# KiCad board LizardBot1_ControlBoard_v1.kicad_pcb
title: LizardBot 1 Control Board: PCB Layout; date: 2024-07-15; rev: v1.0.0; company: Lizard Electronics; note: Designed by: Manuel Lagarto
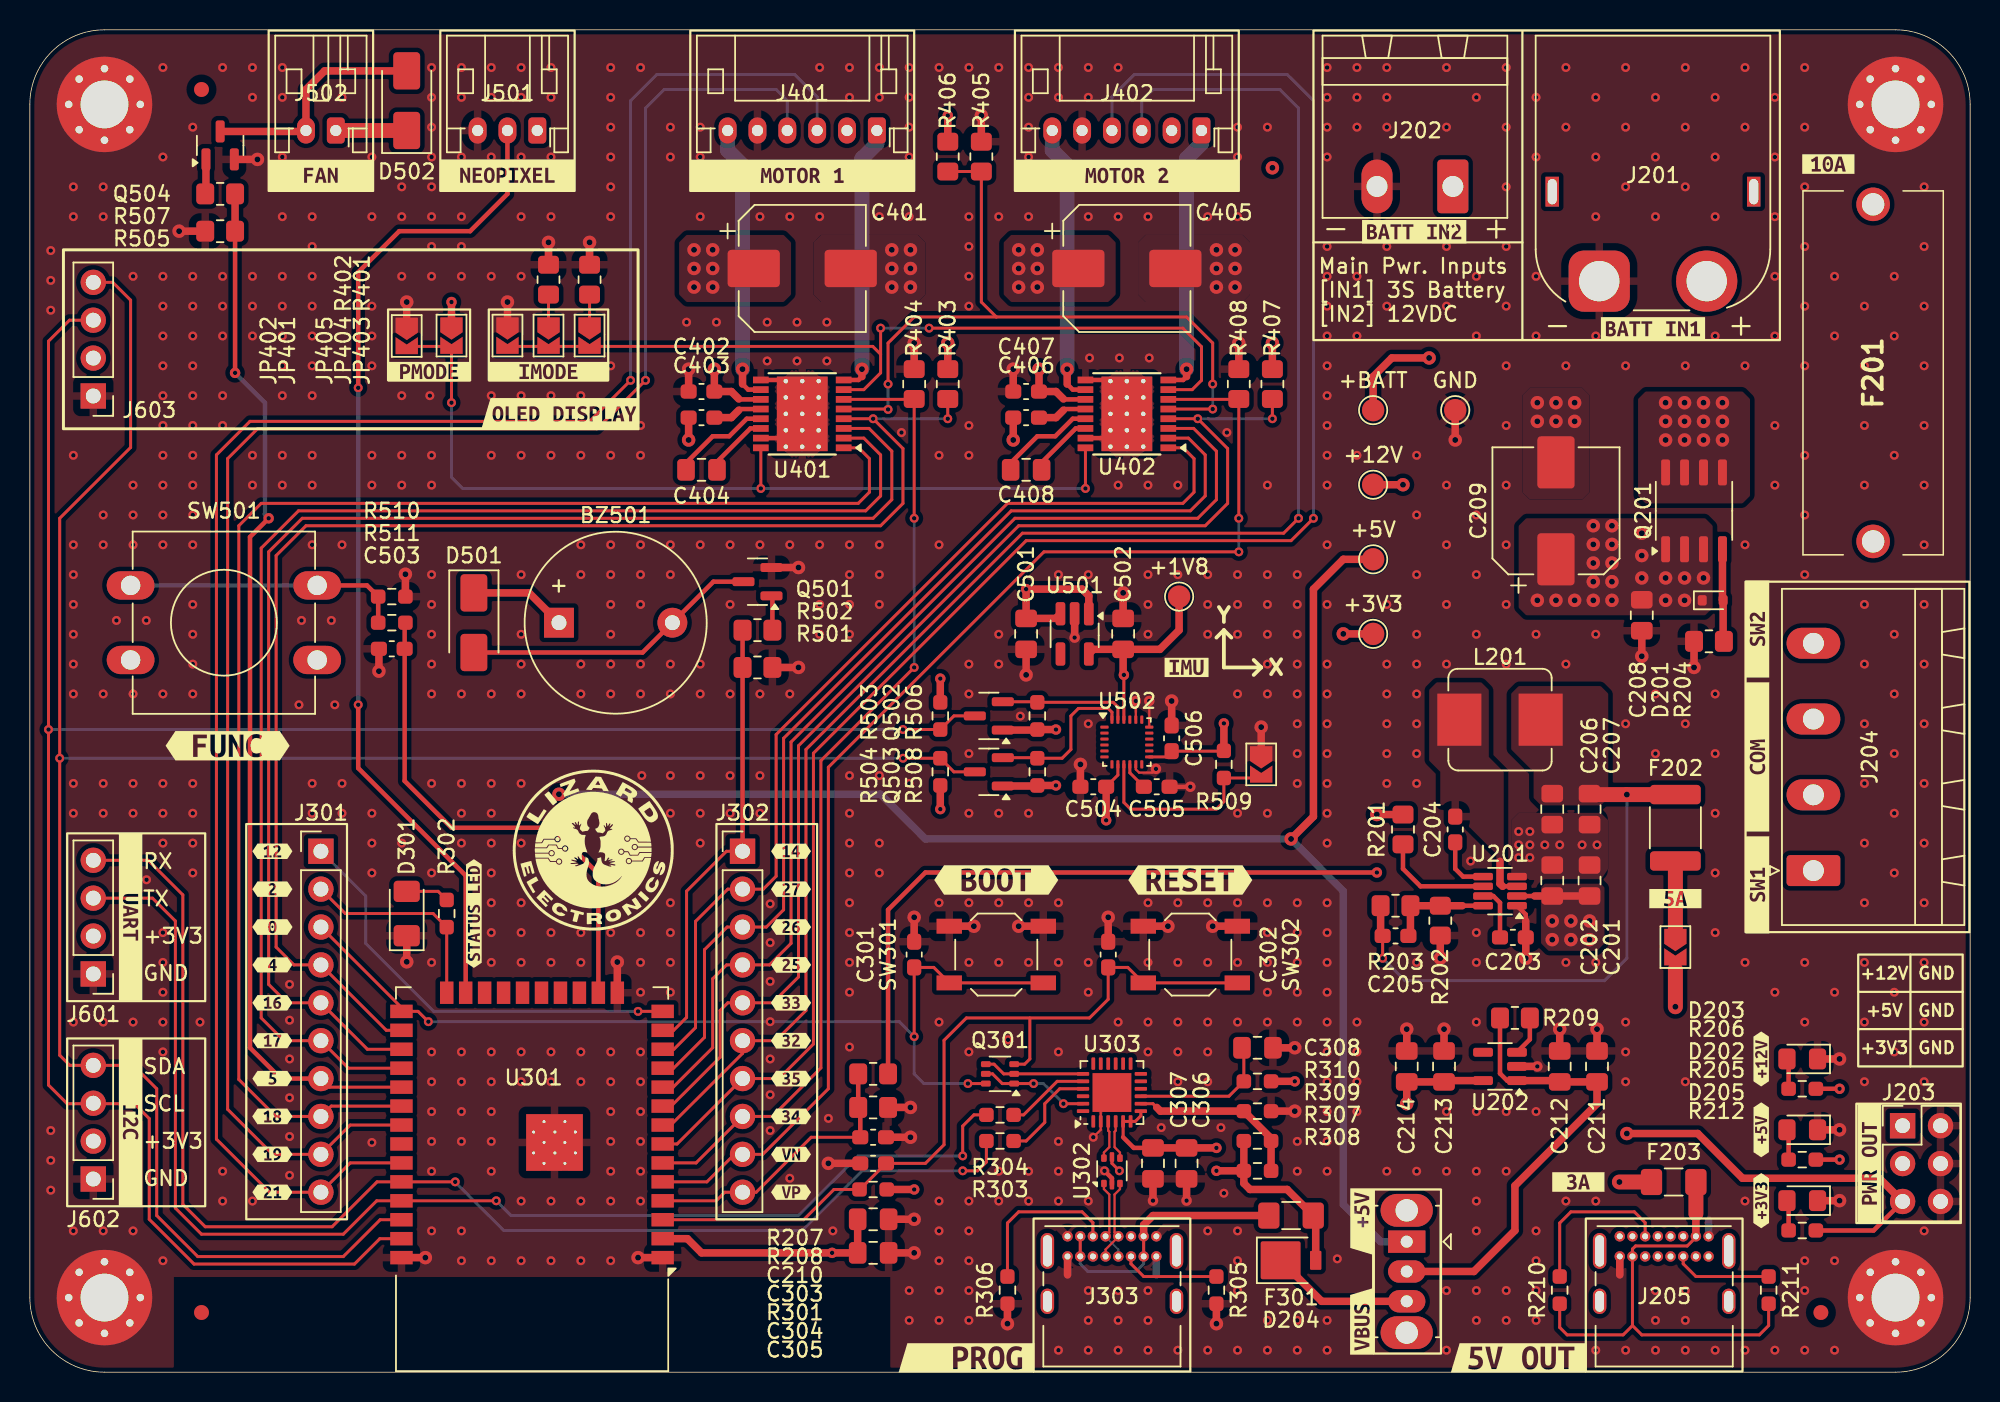
[diagram p0: board, top side]
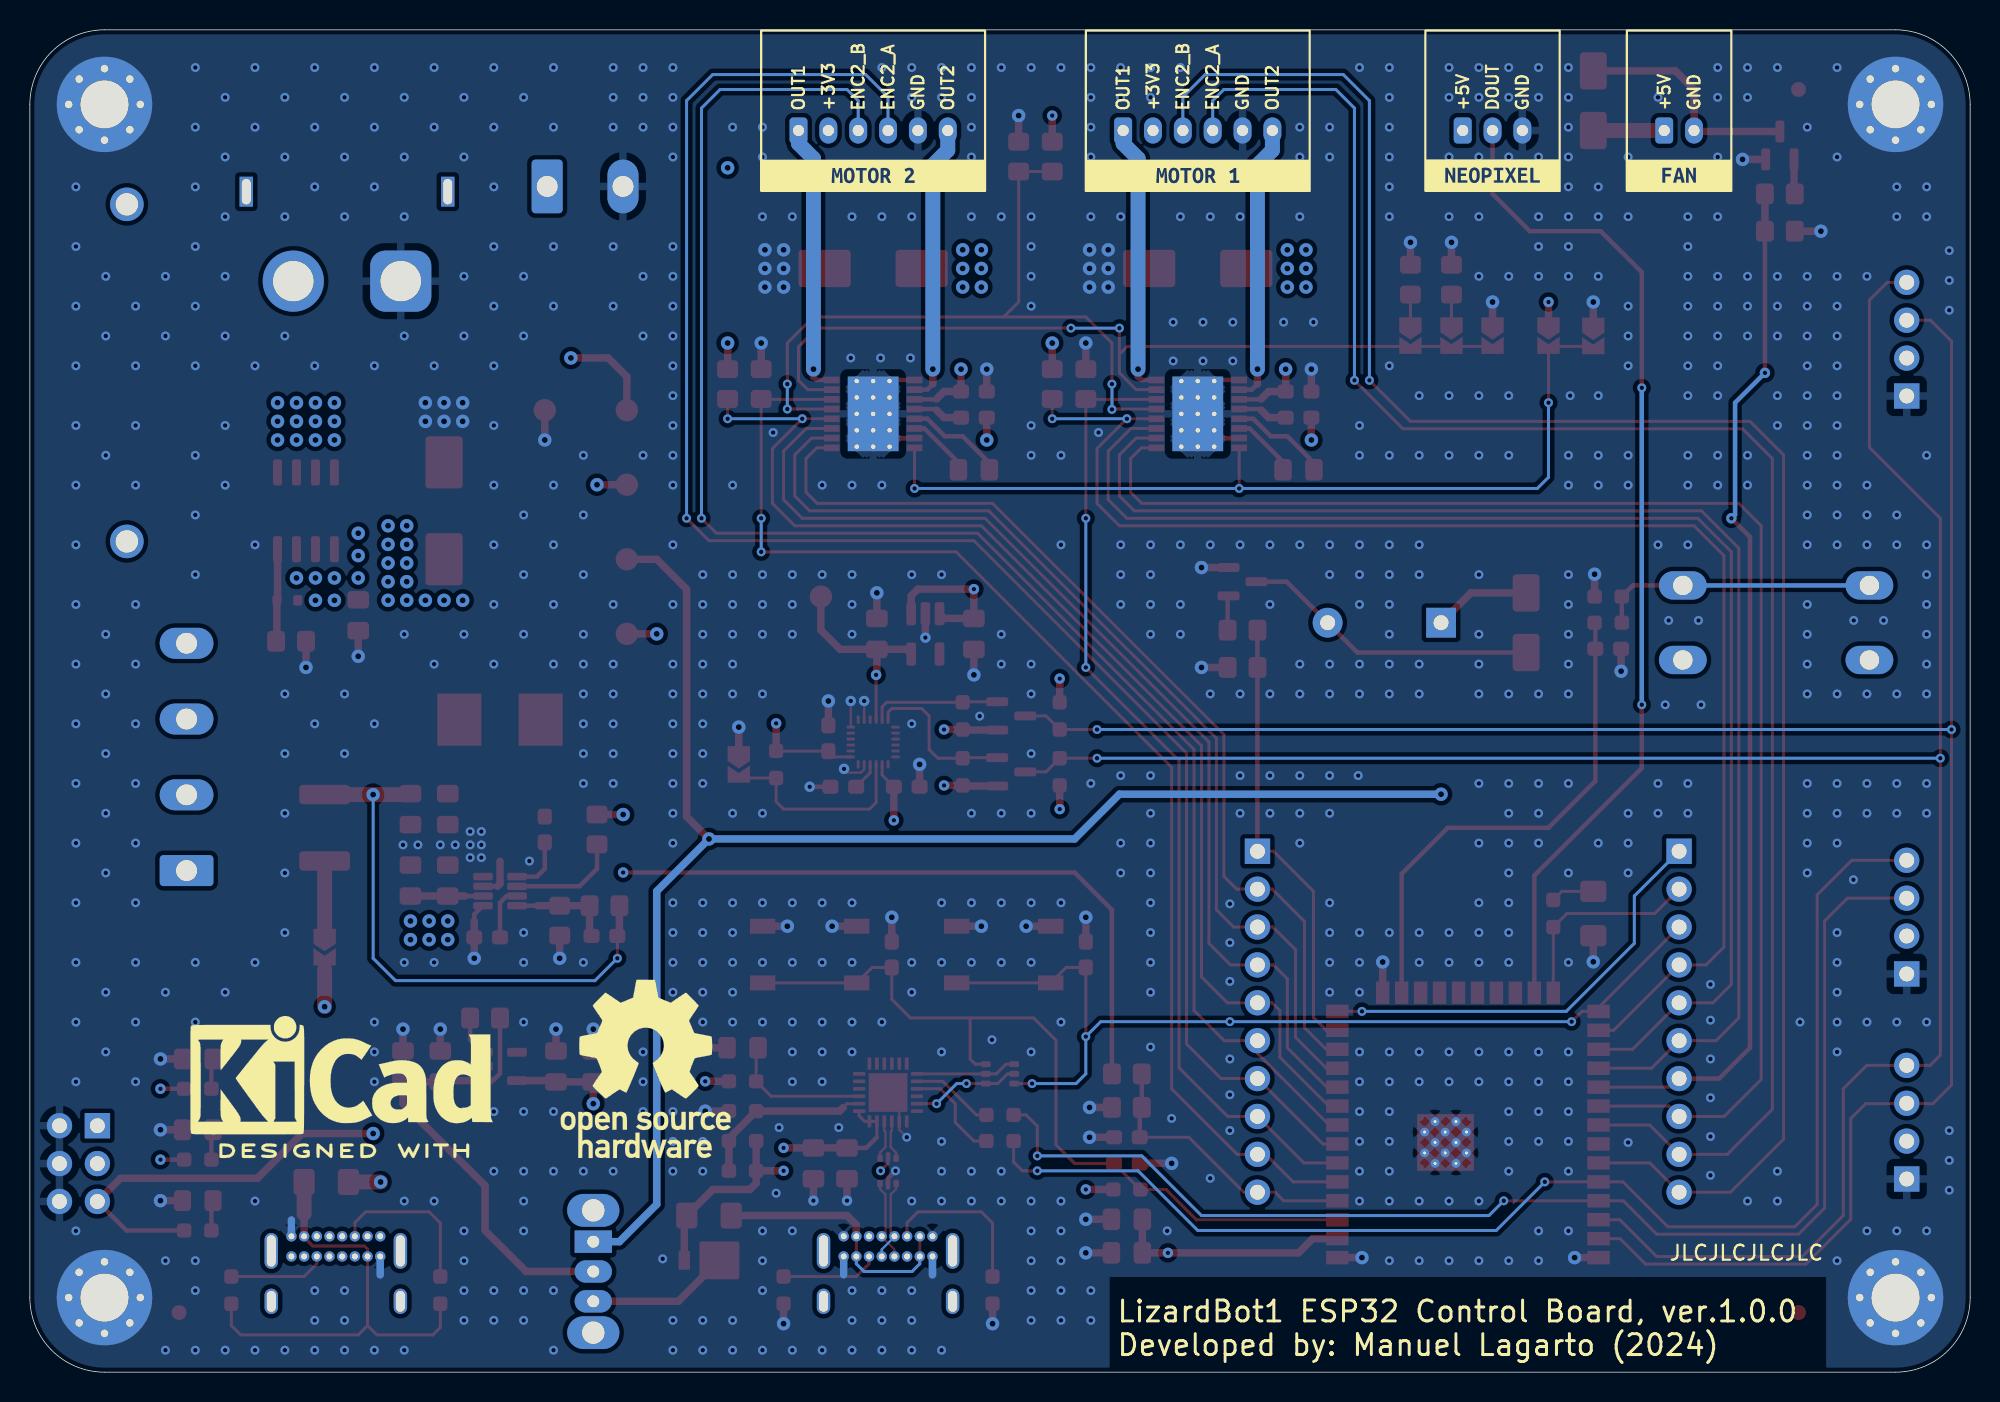
[diagram p1: board, bottom side, seen from below]

Outline 130 x 90 mm; copper layers: Top, In1.Cu (plane), In2.Cu (plane), Bottom. Coordinates in mm from the lower left corner of the outline.
Outline path: 0,85 0,5 arc(1.46,1.46) 5,0 125,0 arc(128.54,1.46) 130,5 130,85 arc(128.54,88.54) 125,90 5,90 arc(1.46,88.54) 0,85
Stack: Top 0.035mm / dielectric 0.1mm FR4 er 4.5 / In1.Cu 0.035mm / dielectric 1.24mm FR4 er 4.5 / In2.Cu 0.035mm / dielectric 0.1mm FR4 er 4.5 / Bottom 0.035mm

## Placement (name value [footprint] x y rotation side)
BZ501  Buzzer  [Buzzer_12x9.5RM7.6]  35.45 50.25 0 top
C201  22uF  [C_0805_2012Metric_Pad1.18x1.45mm_HandSolder]  104.5 32.96 90 top
C202  0.1uF  [C_0805_2012Metric_Pad1.18x1.45mm_HandSolder]  102 32.96 90 top
C203  0.1uF  [C_0603_1608Metric_Pad1.08x0.95mm_HandSolder]  99.36 29.15 0 top
C204  0.1uF  [C_0603_1608Metric_Pad1.08x0.95mm_HandSolder]  95.5 36.39 90 top
C205  33pF  [C_0603_1608Metric_Pad1.08x0.95mm_HandSolder]  91.5 29.25 180 top
C206  22uF  [C_0805_2012Metric_Pad1.18x1.45mm_HandSolder]  102 37.75 270 top
C207  22uF  [C_0805_2012Metric_Pad1.18x1.45mm_HandSolder]  104.5 37.75 270 top
C208  22uF  [C_0805_2012Metric_Pad1.18x1.45mm_HandSolder]  108 50.75 270 top
C209  470uF  [CP_Elec_8x10]  102.25 57.75 90 top
C210  0.1uF  [C_0603_1608Metric_Pad1.08x0.95mm_HandSolder]  56.5 15.75 0 top
C211  4.7uF  [C_0805_2012Metric_Pad1.18x1.45mm_HandSolder]  105 20.5 90 top
C212  0.1uF  [C_0805_2012Metric_Pad1.18x1.45mm_HandSolder]  102.5 20.5 90 top
C213  4.7uF  [C_0805_2012Metric_Pad1.18x1.45mm_HandSolder]  94.75 20.5 90 top
C214  4.7uF  [C_0805_2012Metric_Pad1.18x1.45mm_HandSolder]  92.25 20.5 90 top
C301  0.1uF  [C_0603_1608Metric_Pad1.08x0.95mm_HandSolder]  59.25 28 270 top
C302  0.1uF  [C_0603_1608Metric_Pad1.08x0.95mm_HandSolder]  72.25 28 270 top
C303  0.1uF  [C_0603_1608Metric_Pad1.08x0.95mm_HandSolder]  56.5 14 0 top
C304  22uF  [C_0805_2012Metric_Pad1.18x1.45mm_HandSolder]  56.5 10.25 0 top
C305  0.1uF  [C_0805_2012Metric_Pad1.18x1.45mm_HandSolder]  56.5 8 0 top
C306  4.7uF  [C_0805_2012Metric_Pad1.18x1.45mm_HandSolder]  77.5 14 270 top
C307  0.1uF  [C_0805_2012Metric_Pad1.18x1.45mm_HandSolder]  75.25 14 270 top
C308  0.1uF  [C_0805_2012Metric_Pad1.18x1.45mm_HandSolder]  82.25 21.75 0 top
C401  220uF  [CP_Elec_8x10]  51.75 74 0 top
C402  0.1uF  [C_0603_1608Metric_Pad1.08x0.95mm_HandSolder]  45 65.75 180 top
C403  0.1uF  [C_0603_1608Metric_Pad1.08x0.95mm_HandSolder]  45 64 0 top
C404  22nF  [C_0805_2012Metric_Pad1.18x1.45mm_HandSolder]  45 60.5 180 top
C405  220uF  [CP_Elec_8x10]  73.5 74 0 top
C406  0.1uF  [C_0603_1608Metric_Pad1.08x0.95mm_HandSolder]  66.75 65.75 180 top
C407  0.1uF  [C_0603_1608Metric_Pad1.08x0.95mm_HandSolder]  66.75 64 0 top
C408  22nF  [C_0805_2012Metric_Pad1.18x1.45mm_HandSolder]  66.75 60.5 180 top
C501  4.7uF  [C_0805_2012Metric_Pad1.18x1.45mm_HandSolder]  66.75 49.5 270 top
C502  4.7uF  [C_0805_2012Metric_Pad1.18x1.45mm_HandSolder]  73.25 49.5 90 top
C503  0.1uF  [C_0603_1608Metric_Pad1.08x0.95mm_HandSolder]  24.25 48.5 180 top
C504  0.1uF  [C_0603_1608Metric_Pad1.08x0.95mm_HandSolder]  71.25 39.25 180 top
C505  0.1uF  [C_0603_1608Metric_Pad1.08x0.95mm_HandSolder]  75.5 39.25 0 top
C506  0.1uF  [C_0603_1608Metric_Pad1.08x0.95mm_HandSolder]  76.5 42.5 90 top
D201  BZT52C12T  [D_SOD-523]  112.75 51.75 0 top
D202  Green  [LED_0805_2012Metric_Pad1.15x1.40mm_HandSolder]  118.75 16.25 180 top
D203  Green  [LED_0805_2012Metric_Pad1.15x1.40mm_HandSolder]  118.75 21 180 top
D204  SS1P3L  [D_SMP_DO-220AA]  84.5 7.5 0 top
D205  Green  [LED_0805_2012Metric_Pad1.15x1.40mm_HandSolder]  118.75 11.5 180 top
D301  Red  [LED_1206_3216Metric_Pad1.42x1.75mm_HandSolder]  25.25 30.75 90 top
D501  SS14  [D_SMA]  29.75 50.25 270 top
D502  SS14  [D_SMA]  25.25 85.25 90 top
F201  10A  [Fuseholder_LittelFuse_5x20mm_0PTF0078P]  123.5 67 270 top
F202  5A  [Fuse_1812_4532Metric_Pad1.30x3.40mm_HandSolder]  110.25 36.5 270 top
F203  3A  [Fuse_1206_3216Metric_Pad1.42x1.75mm_HandSolder]  110.14 12.75 180 top
F301  500mA  [Fuse_1206_3216Metric_Pad1.42x1.75mm_HandSolder]  84.5 10.5 0 top
FID101  Fiducial  [Fiducial_1mm_Mask2mm]  11.5 86 0 top
FID102  Fiducial  [Fiducial_1mm_Mask2mm]  11.5 4 0 top
FID103  Fiducial  [Fiducial_1mm_Mask2mm]  120 4 0 top
G***  LOGO  [lizard_electronics_footprint]  37.75 35 0 top
H101  MountingHole_Pad  [MountingHole_3.2mm_M3_Pad_Via]  5 85 0 top
H102  MountingHole_Pad  [MountingHole_3.2mm_M3_Pad_Via]  5 5 0 top
H103  MountingHole_Pad  [MountingHole_3.2mm_M3_Pad_Via]  125 85 0 top
H104  MountingHole_Pad  [MountingHole_3.2mm_M3_Pad_Via]  125 5 0 top
J201  XT60-M  [AMASS_XT60PW-M_1x02_P7.20mm_Horizontal]  105.15 73.15 0 top
J202  Receptable-P5.08-2P  [PhoenixContact_MSTBA_2,5_2-G-5,08_1x02_P5.08mm_Horizontal]  95.34 79.5 180 top
J203  Conn_02x03_Odd_Even  [PinHeader_2x03_P2.54mm_Vertical]  125.47 16.53 0 top
J204  Receptable-P5.08-4P  [PhoenixContact_MSTBA_2,5_4-G-5,08_1x04_P5.08mm_Horizontal]  119.5 33.63 90 top
J205  USB_C_Receptacle_PowerOnly_6P  [USB_C_Receptacle_GCT_USB4085]  106.53 9.11 0 top
J301  2.54mm (F)  [PinHeader_1x10_P2.54mm_Vertical]  19.5 34.92 0 top
J302  2.54mm (F)  [PinHeader_1x10_P2.54mm_Vertical]  47.75 34.92 0 top
J303  USB_C_Receptacle_USB2.0_16P  [USB_C_Receptacle_GCT_USB4085]  69.53 9.11 0 top
J401  JST-PH-6-Male  [JST_PH_S6B-PH-K_1x06_P2.00mm_Horizontal]  56.75 83.25 180 top
J402  JST-PH-6-Male  [JST_PH_S6B-PH-K_1x06_P2.00mm_Horizontal]  78.5 83.25 180 top
J501  JST-PH-3-Male  [JST_PH_S3B-PH-K_1x03_P2.00mm_Horizontal]  34 83.25 180 top
J502  JST-PH-2-Male  [JST_PH_S2B-PH-K_1x02_P2.00mm_Horizontal]  20.5 83.25 180 top
J601  2.54mm (F)  [PinHeader_1x04_P2.54mm_Vertical]  4.25 26.7 180 top
J602  2.54mm (F)  [PinHeader_1x04_P2.54mm_Vertical]  4.25 12.95 180 top
J603  2.54mm (F)  [PinHeader_1x04_P2.54mm_Vertical]  4.25 65.45 180 top
JP201  Jumper_2_Small_Open  [SolderJumper-2_P1.3mm_Open_TrianglePad1.0x1.5mm]  110.25 28.5 270 top
JP401  PMODE as PWM  [SolderJumper-2_P1.3mm_Open_TrianglePad1.0x1.5mm]  28.25 69.5 270 top
JP402  PMODE as PH/EN  [SolderJumper-2_P1.3mm_Open_TrianglePad1.0x1.5mm]  25.25 69.47 270 top
JP403  IMODE as Level 3  [SolderJumper-2_P1.3mm_Open_TrianglePad1.0x1.5mm]  37.5 69.5 270 top
JP404  IMODE as Level 2  [SolderJumper-2_P1.3mm_Open_TrianglePad1.0x1.5mm]  34.75 69.5 270 top
JP405  IMODE as Level 1  [SolderJumper-2_P1.3mm_Open_TrianglePad1.0x1.5mm]  32 69.5 270 top
JP501  IMU I2C Slave Address  [SolderJumper-2_P1.3mm_Open_TrianglePad1.0x1.5mm]  82.5 40.75 270 top
kibuzzard-66AD00BD  G***  [kibuzzard-66AD00BD]  77.5 47.25 0 top
kibuzzard-66AE53BD  G***  [kibuzzard-66AE53BD]  32 80.25 0 top
kibuzzard-66AE53BD#2  G***  [kibuzzard-66AE53BD]  32 80.25 180 bottom
kibuzzard-66AE536E  G***  [kibuzzard-66AE536E]  51.75 80.24 0 top
kibuzzard-66AE536E#2  G***  [kibuzzard-66AE536E]  51.75 80.24 180 bottom
kibuzzard-66AE598B  G***  [kibuzzard-66AE598B]  116 11.5 90 top
kibuzzard-66AE5247  G***  [kibuzzard-66AE5247]  92.75 76.46 0 top
kibuzzard-66AE5260  G***  [kibuzzard-66AE5260]  108.75 69.96 0 top
kibuzzard-66AE5349  G***  [kibuzzard-66AE5349]  73.5 80.24 0 top
kibuzzard-66AE5349#2  G***  [kibuzzard-66AE5349]  73.5 80.24 180 bottom
kibuzzard-66AE5413  G***  [kibuzzard-66AE5413]  19.5 80.25 0 top
kibuzzard-66AE5413#2  G***  [kibuzzard-66AE5413]  19.5 80.25 180 bottom
kibuzzard-66AE5490  G***  [kibuzzard-66AE5490]  35.5 64.25 0 top
kibuzzard-66AE5977  G***  [kibuzzard-66AE5977]  116 21 90 top
kibuzzard-66AE5980  G***  [kibuzzard-66AE5980]  116 16.25 90 top
kibuzzard-66AFADB2  G***  [kibuzzard-66AFADB2]  77.75 33 0 top
kibuzzard-66AFADBC  G***  [kibuzzard-66AFADBC]  64.75 33 0 top
kibuzzard-66AFB5F9  G***  [kibuzzard-66AFB5F9]  6.75 30.5 270 top
kibuzzard-66AFB6D0  G***  [kibuzzard-66AFB6D0]  6.75 16.75 270 top
kibuzzard-66AFB6F2  G***  [kibuzzard-66AFB6F2]  29.75 30.75 90 top
kibuzzard-66AFB7D7  G***  [kibuzzard-66AFB7D7]  51 34.92 0 top
kibuzzard-66AFB7DB  G***  [kibuzzard-66AFB7DB]  51 32.39 0 top
kibuzzard-66AFB7DF  G***  [kibuzzard-66AFB7DF]  51 29.84 0 top
kibuzzard-66AFB7E3  G***  [kibuzzard-66AFB7E3]  51 27.31 0 top
kibuzzard-66AFB7E7  G***  [kibuzzard-66AFB7E7]  51 24.77 0 top
kibuzzard-66AFB7EC  G***  [kibuzzard-66AFB7EC]  51 22.22 0 top
kibuzzard-66AFB7F0  G***  [kibuzzard-66AFB7F0]  51 19.69 0 top
kibuzzard-66AFB7F4  G***  [kibuzzard-66AFB7F4]  51 17.15 0 top
kibuzzard-66AFB7F8  G***  [kibuzzard-66AFB7F8]  51 14.6 0 top
kibuzzard-66AFB7FC  G***  [kibuzzard-66AFB7FC]  51 12.06 0 top
kibuzzard-66AFB39E  G***  [kibuzzard-66AFB39E]  115.75 49.83 90 top
kibuzzard-66AFB48F  G***  [kibuzzard-66AFB48F]  89.25 10.09 90 top
kibuzzard-66AFB92F  G***  [kibuzzard-66AFB92F]  16.25 14.6 0 top
kibuzzard-66AFB93E  G***  [kibuzzard-66AFB93E]  16.25 17.15 0 top
kibuzzard-66AFB94F  G***  [kibuzzard-66AFB94F]  16.25 19.69 0 top
kibuzzard-66AFB95D  G***  [kibuzzard-66AFB95D]  16.25 22.22 0 top
kibuzzard-66AFB97A  G***  [kibuzzard-66AFB97A]  16.25 29.84 0 top
kibuzzard-66AFB99E  G***  [kibuzzard-66AFB99E]  16.25 34.92 0 top
kibuzzard-66AFB135  G***  [kibuzzard-66AFB135]  26.75 67.08 0 top
kibuzzard-66AFB168  G***  [kibuzzard-66AFB168]  34.75 67.08 0 top
kibuzzard-66AFB328  G***  [kibuzzard-66AFB328]  115.75 41.25 90 top
kibuzzard-66AFB378  G***  [kibuzzard-66AFB378]  115.75 32.67 90 top
kibuzzard-66AFB483  G***  [kibuzzard-66AFB483]  89.25 3.41 90 top
kibuzzard-66AFB916  G***  [kibuzzard-66AFB916]  16.25 12.06 0 top
kibuzzard-66AFB966  G***  [kibuzzard-66AFB966]  16.25 24.77 0 top
kibuzzard-66AFB970  G***  [kibuzzard-66AFB970]  16.25 27.31 0 top
kibuzzard-66AFB985  G***  [kibuzzard-66AFB985]  16.25 32.39 0 top
kibuzzard-66AFBD2F  G***  [kibuzzard-66AFBD2F]  99.75 0.96 0 top
kibuzzard-66AFBDDF  G***  [kibuzzard-66AFBDDF]  62.75 0.96 0 top
kibuzzard-66AFBE4C  G***  [kibuzzard-66AFBE4C]  13.25 42 0 top
kibuzzard-66B2BB73  G***  [kibuzzard-66B2BB73]  123.25 14 90 top
kibuzzard-66B2BEBE  G***  [kibuzzard-66B2BEBE]  120.5 81 0 top
kibuzzard-66B2BEF8  G***  [kibuzzard-66B2BEF8]  103.75 12.75 0 top
kibuzzard-66B2BF15  G***  [kibuzzard-66B2BF15]  110.25 31.75 0 top
L201  4.7uH  [L_Bourns_SRP7028A_7.3x6.6mm]  98.5 43.75 0 top
Q201  SQ4425EY  [SO-8_3.9x4.9mm_P1.27mm]  111.5 57.75 90 top
Q301  UMH3N  [SOT-363_SC-70-6]  65 20 180 top
Q501  AO3400A  [SOT-23]  48.75 53 180 top
Q502  BSS138  [SOT-23]  64.25 44 180 top
Q503  BSS138  [SOT-23]  64.25 40.25 180 top
Q504  AO3400A  [SOT-23]  12.75 82.25 90 top
R201  100k  [R_0805_2012Metric_Pad1.20x1.40mm_HandSolder]  92 36.39 270 top
R202  5.49k  [R_0805_2012Metric_Pad1.20x1.40mm_HandSolder]  94.5 30.28 270 top
R203  40.2k  [R_0805_2012Metric_Pad1.20x1.40mm_HandSolder]  91.5 31.28 180 top
R204  10k  [R_0805_2012Metric_Pad1.20x1.40mm_HandSolder]  112.5 49 180 top
R205  1k  [R_0603_1608Metric_Pad0.98x0.95mm_HandSolder]  118.75 14.25 180 top
R206  1k  [R_0603_1608Metric_Pad0.98x0.95mm_HandSolder]  118.75 19 180 top
R207  10k  [R_0805_2012Metric_Pad1.20x1.40mm_HandSolder]  56.5 20 180 top
R208  3.3k  [R_0805_2012Metric_Pad1.20x1.40mm_HandSolder]  56.5 17.75 0 top
R209  100k  [R_0805_2012Metric_Pad1.20x1.40mm_HandSolder]  99.5 23.75 180 top
R210  10k  [R_0603_1608Metric_Pad0.98x0.95mm_HandSolder]  102.5 5.5 90 top
R211  10k  [R_0603_1608Metric_Pad0.98x0.95mm_HandSolder]  116.5 5.5 90 top
R212  470  [R_0603_1608Metric_Pad0.98x0.95mm_HandSolder]  118.75 9.5 180 top
R301  10k  [R_0603_1608Metric_Pad0.98x0.95mm_HandSolder]  56.5 12.25 180 top
R302  1k  [R_0603_1608Metric_Pad0.98x0.95mm_HandSolder]  27.93 30.75 90 top
R303  0  [R_0603_1608Metric_Pad0.98x0.95mm_HandSolder]  65 15.5 0 top
R304  0  [R_0603_1608Metric_Pad0.98x0.95mm_HandSolder]  65 17.25 0 top
R305  5k1  [R_0603_1608Metric_Pad0.98x0.95mm_HandSolder]  79.5 5.5 270 top
R306  5k1  [R_0603_1608Metric_Pad0.98x0.95mm_HandSolder]  65.5 5.5 270 top
R307  47k  [R_0603_1608Metric_Pad0.98x0.95mm_HandSolder]  82.25 15.5 0 top
R308  47k  [R_0603_1608Metric_Pad0.98x0.95mm_HandSolder]  82.25 13.5 0 top
R309  47k  [R_0603_1608Metric_Pad0.98x0.95mm_HandSolder]  82.25 17.5 0 top
R310  1k  [R_0603_1608Metric_Pad0.98x0.95mm_HandSolder]  82.25 19.5 180 top
R401  62k  [R_0805_2012Metric_Pad1.20x1.40mm_HandSolder]  37.5 73.25 90 top
R402  20k  [R_0805_2012Metric_Pad1.20x1.40mm_HandSolder]  34.75 73.25 90 top
R403  10k  [R_0805_2012Metric_Pad1.20x1.40mm_HandSolder]  61.5 66.25 270 top
R404  1.2k  [R_0805_2012Metric_Pad1.20x1.40mm_HandSolder]  59.25 66.25 90 top
R405  16k  [R_0805_2012Metric_Pad1.20x1.40mm_HandSolder]  61.5 81.5 270 top
R406  50k  [R_0805_2012Metric_Pad1.20x1.40mm_HandSolder]  63.75 81.5 90 top
R407  10k  [R_0805_2012Metric_Pad1.20x1.40mm_HandSolder]  83.25 66.25 270 top
R408  1.2k  [R_0805_2012Metric_Pad1.20x1.40mm_HandSolder]  81 66.25 90 top
R501  10k  [R_0805_2012Metric_Pad1.20x1.40mm_HandSolder]  48.75 47.25 0 top
R502  150  [R_0805_2012Metric_Pad1.20x1.40mm_HandSolder]  48.75 49.75 0 top
R503  10k  [R_0603_1608Metric_Pad0.98x0.95mm_HandSolder]  61 44 270 top
R504  10k  [R_0603_1608Metric_Pad0.98x0.95mm_HandSolder]  61 40.25 90 top
R505  10k  [R_0805_2012Metric_Pad1.20x1.40mm_HandSolder]  12.75 76.5 180 top
R506  10k  [R_0603_1608Metric_Pad0.98x0.95mm_HandSolder]  67.5 44 90 top
R507  150  [R_0805_2012Metric_Pad1.20x1.40mm_HandSolder]  12.75 79 180 top
R508  10k  [R_0603_1608Metric_Pad0.98x0.95mm_HandSolder]  67.5 40.25 90 top
R509  10k  [R_0603_1608Metric_Pad0.98x0.95mm_HandSolder]  80 40.75 270 top
R510  10k  [R_0603_1608Metric_Pad0.98x0.95mm_HandSolder]  24.25 52 0 top
R511  470  [R_0603_1608Metric_Pad0.98x0.95mm_HandSolder]  24.25 50.25 0 top
REF**  -  [KiCad-Logo2_8mm_SilkScreen]  109.12 19.94 180 bottom
REF**#2  -  [OSHW-Logo_11.4x12mm_SilkScreen]  88.75 20.34 180 bottom
SW201  SW_SPDT  [SW_Slide_SPDT_Straight_CK_OS102011MS2Q]  92.25 8.75 270 top
SW301  SW_Push  [SW_SPST_TL3342]  64.75 28 0 top
SW302  SW_Push  [SW_SPST_TL3342]  77.75 28 0 top
SW501  SW_Push  [SW_PUSH-12mm]  19.25 47.75 180 top
TP101  BATT_TP  [TestPoint_Pad_D1.5mm]  90 64.5 0 top
TP102  12V_TP  [TestPoint_Pad_D1.5mm]  90 59.5 0 top
TP103  5V_TP  [TestPoint_Pad_D1.5mm]  90 54.5 0 top
TP104  3V3_TP  [TestPoint_Pad_D1.5mm]  90 49.5 0 top
TP105  1V8_TP  [TestPoint_Pad_D1.5mm]  77 52 0 top
TP106  GND_TP  [TestPoint_Pad_D1.5mm]  95.5 64.5 0 top
U201  MP2225  [SOT-23-8]  98.5 32.25 180 top
U202  AP2112K-3.3  [SOT-23-5]  98.5 20.5 180 top
U301  ESP32-WROOM-32E  [ESP32-WROOM-32D]  33.65 15.93 180 top
U302  USBLC6-2P6  [SOT-666]  72.5 13.5 90 top
U303  CP2102N-Axx-xQFN24  [QFN-24-1EP_4x4mm_P0.5mm_EP2.6x2.6mm]  72.5 18.75 90 top
U401  DRV8874  [HTSSOP-16-1EP_4.4x5mm_P0.65mm_EP3.4x5mm_Mask3x3mm_ThermalVias]  51.75 64.25 180 top
U402  DRV8874  [HTSSOP-16-1EP_4.4x5mm_P0.65mm_EP3.4x5mm_Mask3x3mm_ThermalVias]  73.5 64.25 180 top
U501  MIC5225  [SOT-23-5_HandSoldering]  70 49.5 270 top
U502  ICM-20948  [InvenSense_QFN-24_3x3mm_P0.4mm]  73.5 42.25 0 top

## Library data of the parts
BZ501 = -: Description: Buzzer, polarized; ki_fp_filters: *Buzzer*
C201-C208 C210-C214 C301-C308 C402-C404 C406-C408 C501-C506 = -: Description: Unpolarized capacitor, small symbol; ki_fp_filters: C_*
C209 C401 C405 = -: Description: Polarized capacitor, small US symbol; ki_fp_filters: CP_*
D201 = -: Datasheet: https://pt.mouser.com/datasheet/2/115/DIOD_S_A0004048695_1-2542541.pdf; Description: Zener diode; ki_fp_filters: TO-???* *_Diode_* *SingleDiode* D_*
D202 D203 D205 D301 = -: Description: Light emitting diode, small symbol, filled shape; ki_fp_filters: LED* LED_SMD:* LED_THT:*
D204 = -: Datasheet: https://www.vishay.com/docs/88915/ss1p3l.pdf; Description: Schottky diode, small symbol, filled shape; ki_fp_filters: TO-???* *_Diode_* *SingleDiode* D_*
D501 D502 = -: Datasheet: https://www.vishay.com/docs/88746/ss12.pdf; Description: 40V 1A Schottky Diode, SMA; ki_fp_filters: D*SMA*
F201 = -: Datasheet: https://pt.mouser.com/datasheet/2/240/media-3322743.pdf; Description: Fuse; ki_fp_filters: *Fuse*
F202 = -: Datasheet: https://pt.mouser.com/datasheet/2/240/media-3323076.pdf; Description: Resettable fuse, polymeric positive temperature coefficient, small symbol; ki_fp_filters: *polyfuse* *PTC*
F203 = -: Datasheet: https://pt.mouser.com/datasheet/2/240/media-3319932.pdf; Description: Resettable fuse, polymeric positive temperature coefficient, small symbol; ki_fp_filters: *polyfuse* *PTC*
F301 = -: Description: Resettable fuse, polymeric positive temperature coefficient, small symbol; ki_fp_filters: *polyfuse* *PTC*
FID101-FID103 = -: Description: Fiducial Marker; ki_fp_filters: Fiducial*
H101-H104 = -: Description: Mounting Hole with connection; ki_fp_filters: MountingHole*Pad*
J201 = -: Datasheet: https://www.lcsc.com/datasheet/lcsc_datasheet_1810251322_Changzhou-Amass-Elec-XT60_C98733.pdf; Description: Generic connector, single row, 01x02, script generated (kicad-library-utils/schlib/autogen/connector/); ki_fp_filters: Connector*:*_1x??_*
J202 = -: Datasheet: https://www.lcsc.com/datasheet/lcsc_datasheet_1912251632_Ningbo-Kangnex-Elec-WJ2EDGR-5-08-2P_C8383.pdf; Description: Generic screw terminal, single row, 01x02, script generated (kicad-library-utils/schlib/autogen/connector/); ki_fp_filters: TerminalBlock*:*
J203 = -: Description: Generic connector, double row, 02x03, odd/even pin numbering scheme (row 1 odd numbers, row 2 even numbers), script generated (kicad-library-utils/schlib/autogen/connector/); ki_fp_filters: Connector*:*_2x??_*
J204 = -: Datasheet: https://www.lcsc.com/datasheet/lcsc_datasheet_2304140030_Ningbo-Kangnex-Elec-WJ2EDGR-5-08-4P_C8443.pdf; Description: Generic screw terminal, single row, 01x04, script generated (kicad-library-utils/schlib/autogen/connector/); ki_fp_filters: TerminalBlock*:*
J205 = -: Datasheet: https://www.usb.org/sites/default/files/documents/usb_type-c.zip; Description: USB Power-Only 6P Type-C Receptacle connector; ki_fp_filters: USB*C*Receptacle*
J301 J302 = -: Description: Generic connector, single row, 01x10, script generated (kicad-library-utils/schlib/autogen/connector/); ki_fp_filters: Connector*:*_1x??_*
J303 = -: Datasheet: https://www.usb.org/sites/default/files/documents/usb_type-c.zip; Description: USB 2.0-only 16P Type-C Receptacle connector; ki_fp_filters: USB*C*Receptacle*
J401 J402 = -: Description: Generic connector, single row, 01x06, script generated (kicad-library-utils/schlib/autogen/connector/); ki_fp_filters: Connector*:*_1x??_*
J501 = -: Description: Generic connector, single row, 01x03, script generated (kicad-library-utils/schlib/autogen/connector/); ki_fp_filters: Connector*:*_1x??_*
J502 = -: Description: Generic connector, single row, 01x02, script generated (kicad-library-utils/schlib/autogen/connector/); ki_fp_filters: Connector*:*_1x??_*
J601-J603 = -: Description: Generic connector, single row, 01x04, script generated (kicad-library-utils/schlib/autogen/connector/); ki_fp_filters: Connector*:*_1x??_*
JP201 JP501 = -: Description: Jumper, 2-pole, small symbol, open; ki_fp_filters: Jumper* TestPoint*2Pads* TestPoint*Bridge*
JP401-JP405 = -: Description: Jumper, 2-pole, open; ki_fp_filters: Jumper* TestPoint*2Pads* TestPoint*Bridge*
L201 = -: Datasheet: https://pt.mouser.com/datasheet/2/54/BOURNS_SRP7028AA-2064300.pdf; Description: Inductor; ki_fp_filters: Choke_* *Coil* Inductor_* L_*
Q201 = -: Datasheet: https://www.vishay.com/docs/72179/sq4425ey.pdf; Description: P-MOSFET transistor, drain/source/gate
Q301 = -: Datasheet: http://rohmfs.rohm.com/en/products/databook/datasheet/discrete/transistor/digital/emh3t2r-e.pdf; Description: 0.1A Ic, 50V Vce, Dual NPN Input Resistor Transistors, SOT-363; ki_fp_filters: SOT?363*
Q501 Q504 = -: Datasheet: http://www.aosmd.com/pdfs/datasheet/AO3400A.pdf; Description: 30V Vds, 5.7A Id, N-Channel MOSFET, SOT-23; ki_fp_filters: SOT?23*
Q502 Q503 = -: Datasheet: https://www.onsemi.com/pub/Collateral/BSS138-D.PDF; Description: 50V Vds, 0.22A Id, N-Channel MOSFET, SOT-23; ki_fp_filters: SOT?23*
R201-R212 R301-R310 R401-R408 R501-R511 = -: Description: Resistor, small symbol; ki_fp_filters: R_*
SW201 = -: Description: Switch, single pole double throw
SW301 SW302 SW501 = -: Description: Push button switch, generic, two pins
TP101-TP106 = -: Description: test point; ki_fp_filters: Pin* Test*
U201 = -: Datasheet: https://www.monolithicpower.com/en/documentview/productdocument/index/version/2/document_type/Datasheet/lang/en/sku/MP2225GJ-Z; Description: MP2225, 5A, SYNCHRONOUS STEP-DOWN CONVERTER
U202 = -: Datasheet: https://www.diodes.com/assets/Datasheets/AP2112.pdf; Description: 600mA low dropout linear regulator, with enable pin, 3.8V-6V input voltage range, 3.3V fixed positive output, SOT-23-5; ki_fp_filters: SOT?23?5*
U301 = -: Datasheet: https://www.espressif.com/sites/default/files/documentation/esp32-wroom-32e_esp32-wroom-32ue_datasheet_en.pdf; Description: RF Module, ESP32-D0WD-V3 SoC, without PSRAM, Wi-Fi 802.11b/g/n, Bluetooth, BLE, 32-bit, 2.7-3.6V, onboard antenna, SMD; ki_fp_filters: ESP32?WROOM?32D*
U302 = -: Datasheet: https://www.st.com/resource/en/datasheet/usblc6-2.pdf; Description: Very low capacitance ESD protection diode, 2 data-line, SOT-666; ki_fp_filters: SOT?666*
U303 = -: Datasheet: https://www.silabs.com/documents/public/data-sheets/cp2102n-datasheet.pdf; Description: USB to UART master bridge, QFN-24; ki_fp_filters: QFN*4x4mm*P0.5mm*
U401 U402 = -: Datasheet: https://www.ti.com/lit/ds/symlink/drv8874.pdf?ts=1718834450917&ref_url=https%253A%252F%252Fwww.ti.com%252Fproduct%252FDRV8874%253Futm_source%253Dgoogle%2526utm_medium%253Dcpc%2526utm_campaign%253Dasc-mdbu-null-44700045336317170_prodfolderdynamic-cpc-pf-google-wwe_int%2526utm_content%253Dprodfolddynamic%2526ds_k%253DDYNAMIC+SEARCH+ADS%2526DCM%253Dyes%2526gad_source%253D1%2526gclid%253DCjwKCAjwg8qzBhAoEiwAWagLrHgw3nMePEtZQg7whL3uvlov6p_00x-73aNy10CgRcNEWrYqbWOjSRoCPsoQAvD_BwE%2526gclsrc%253Daw.ds%2526bm-verify%253DAAQAAAAJ_____16MrJ0YLU_1AnrFyIZoLrZsTDGlrjVCu5J7SCRGPrh83DE6RUrkT-oh8uNEAuwEYrRH_oiTENqDZ6SGkA6eLJaRXFD6uC9KbLu7Zav1H4WzcnIs-EGnQD3wvpd8hgXs66sw2-nX1S-i5hJG7sY0jlOKvoW7myQXP7JlyQ_SonB3ygOmd10cE9t8WTvhqyFA2HYyigAA6YgTd7iMjb2cNinkS2indHzBbv3yv8hUB1ia2tuMXYvt7Q5e2EffqAVqwfH9T5qnUQGm9BEqGibLgUOToWkQxwugwBkVa2rve4vyrJqJ1pafwPgSsm4SeY-XydJ75xzZbmsgq3Lm2WS-FUczyALftq2f_kaReH_s-J1P4gmHjPMtfttawFN2fTsPutEhOAywMkgVpASmoNgoXvIoXqLgFUGOBiRDfedODB00Ni9pW71FjhnZ22uY1XHJIfvfWsACkXhWTV6Vl7BrlDPYtmGeGnQUQbspI5a4VWy_AMUZR-wmDkZS9aDbIWvK5KF8WkISAAft2Qex6TSDTSEVVpqcKaEBKjl2XBHusm1UOAkFWdJQ5zeY32ylpm9oRozGm8snn7kgA9rTWv51lqU9JFqcBgpJEWyC-YTsAvXsiD39pBTBtbKb54GTQjA4rfHvTFhH3mEZfF27IyPet8ev--3UKLtV5sGO01l_tDTjMRFctgNOkLmqOfSSqPko2vnrOOx0DFTKuSUK4xf4aaXcE_HBuTCv1aTKiiUoCE3VJFiS9tjKjg; Description: H-Bridge Motor Driver With Integrated Current Sense and Regulation